# Allegro board 6089-103-RevB_76.brd (continued)
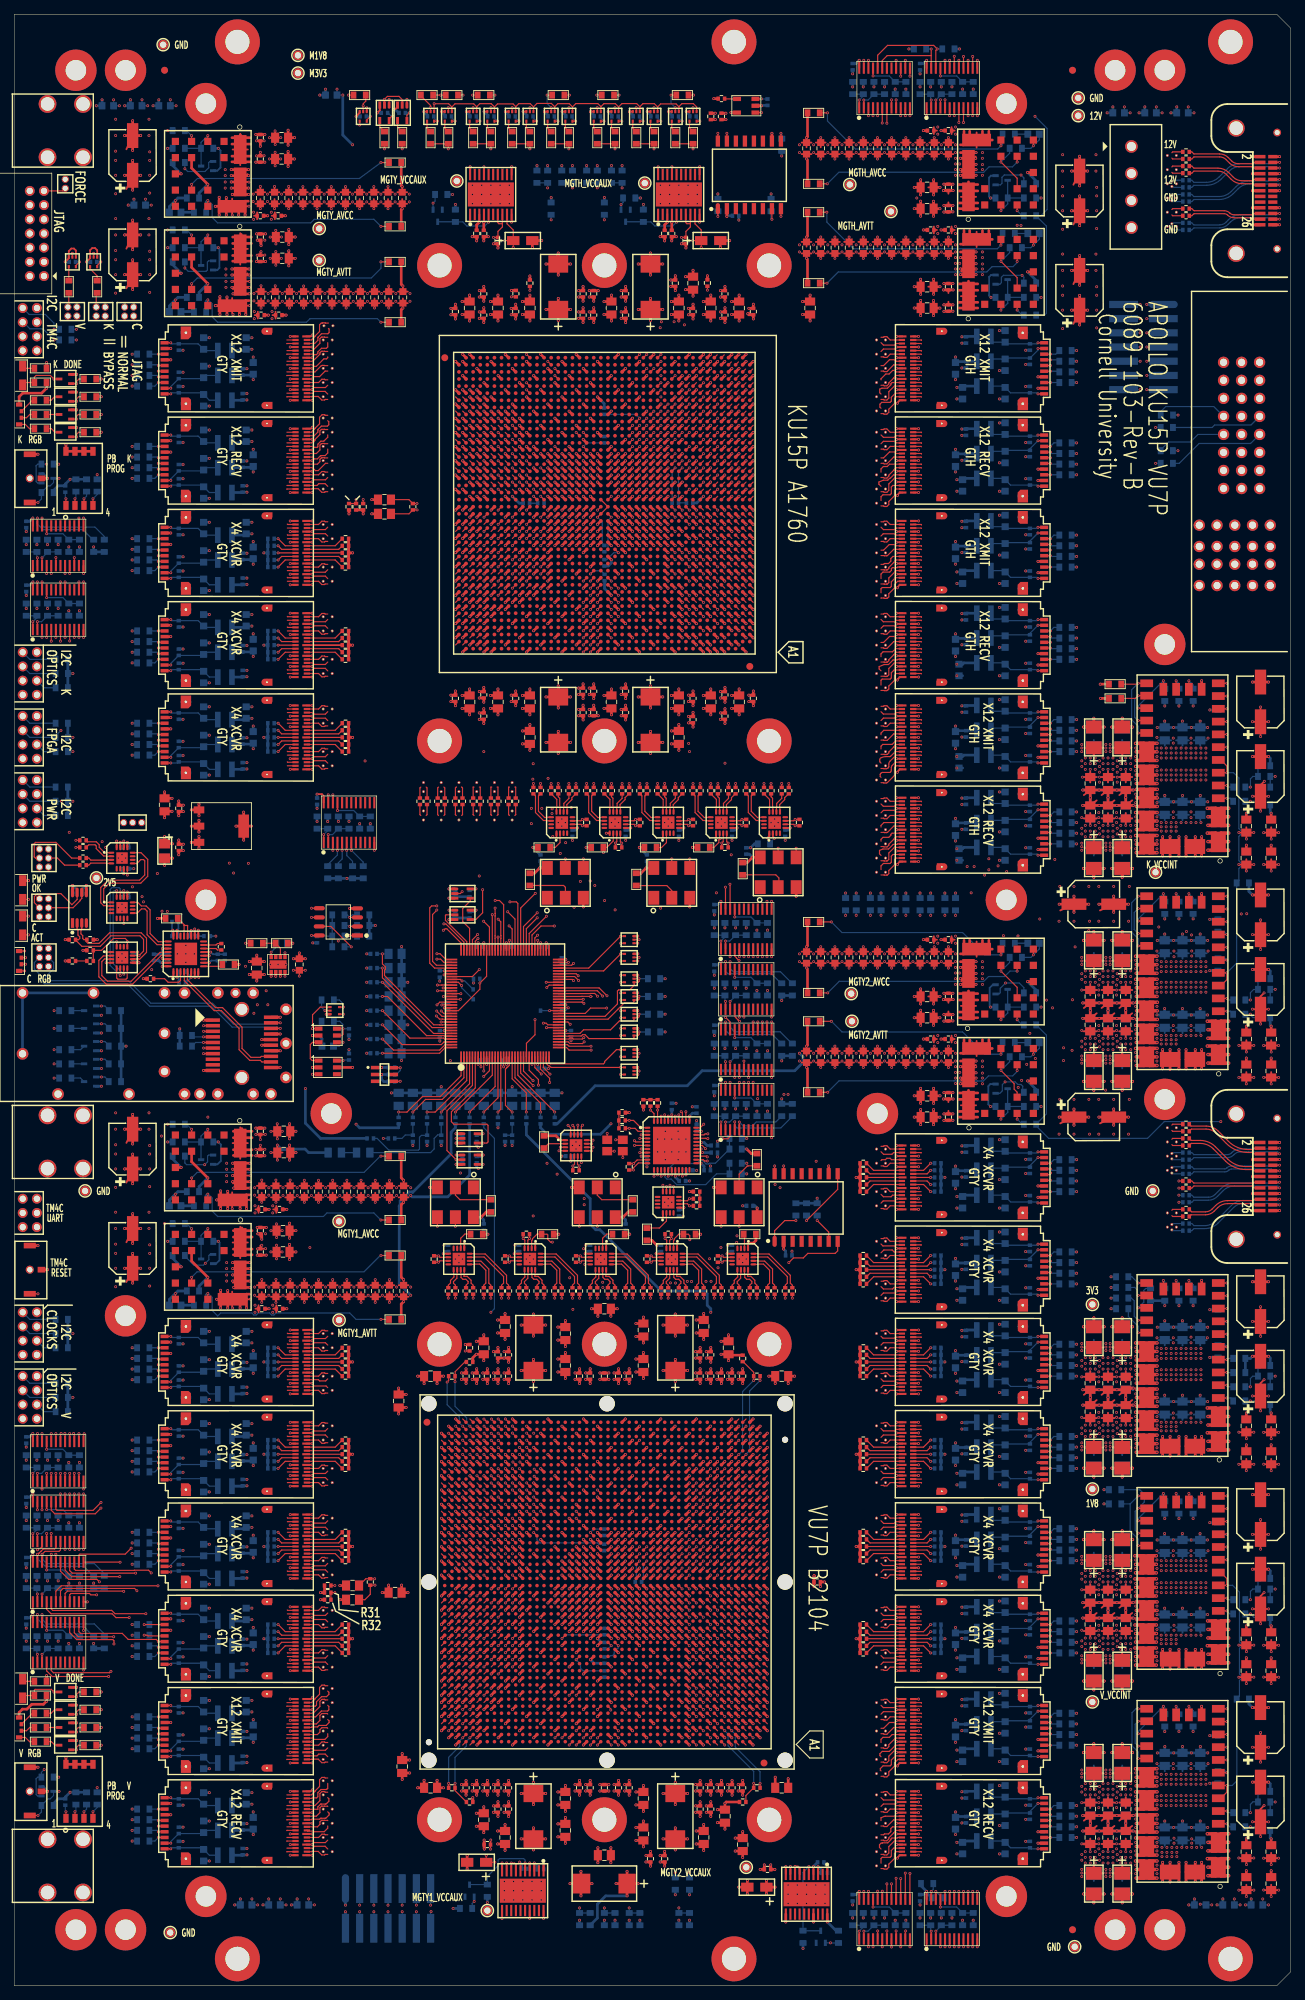
[diagram p0: board, top side]
## Routing (per net, layer and track width the routed paths; a pad name or vN(x,y) marks a point on that pad's centre or on a via; arc(x,y) is an arc through that point) (continued)
  GND1 w0.254: 163.84,118.9 164.25,118.71 ; 163.84,118.9 163.84,118.52 ; 163.84,118.9 164.25,119.09 ; 163.84,118.9 164.16,118.58 ; 163.84,118.9 164.16,119.22 ; 163.84,118.9 164.22,118.9 ; 163.84,118.9 163.84,119.28 ; 163.84,118.9 164.02,119.31 ; 43.18,177.9 43.56,177.9 ; 43.56,177.9 43.56,177.52 ; 43.56,177.9 43.56,178.28 ; 43.56,177.9 43.24,178.22 ; 43.56,177.9 43.24,177.58 ; 43.56,177.9 43.15,177.71 ; 43.56,177.9 43.38,177.49 ; 43.56,177.9 43.15,178.09 ; 43.56,225.9 43.56,226.28 ; 43.56,225.9 43.18,225.9 ; 43.56,225.9 43.15,225.71 ; 43.56,225.9 43.15,226.09 ; 43.56,225.9 43.56,225.52 ; 43.56,225.9 43.24,225.58 ; 43.56,225.9 43.24,226.22 ; 43.56,225.9 43.38,225.49 ; VA96.3 123.25,165.09 ; VA96.3 123.22,164.9 ; VA96.3 122.83,164.52 ; VA96.3 123.16,165.22 ; VA96.3 123.25,164.71 ; VA96.3 123.16,164.58 ; VA96.3 123.02,165.31 ; VA96.3 122.83,165.28 ; VA111.3 122.83,86.28 ; VA111.3 122.83,85.52 ; VA111.3 123.22,85.9 ; VA111.3 123.16,85.58 ; VA111.3 123.16,86.22 ; VA111.3 123.25,85.71 ; VA111.3 123.25,86.09 ; VA111.3 123.02,86.31 ; 156.69,252.35 J17.3 ; J17.3 158.31,252.35 ; J17.3 158.57,251.54 ; J17.3 156.43,251.54 ; J17.3 157.5,250.48 ; J17.3 158.31,250.74 ; J17.3 157.5,252.61 ; J17.3 156.69,250.74 ; 142.19,26.96 U117.G2 ; U117.G2 141.79,26.97 ; U117.G2 142.91,27.18 ; U117.G2 142.19,28.84 ; U117.G2 141.47,27.18 ; U117.G2 141.47,28.62 ; U117.G2 142.91,28.62 ; U117.G2 141.25,27.9 ; 122.83,70.52 VA116.3 ; VA116.3 123.16,71.22 ; VA116.3 123.16,70.58 ; VA116.3 123.25,70.71 ; VA116.3 123.22,70.9 ; VA116.3 123.25,71.09 ; VA116.3 123.02,71.31 ; VA116.3 122.83,71.28 ; 24.21,29.96 U29.G2 ; U29.G2 24.93,31.62 ; U29.G2 25.15,30.9 ; U29.G2 23.49,30.18 ; U29.G2 24.93,30.18 ; U29.G2 24.21,31.84 ; U29.G2 23.81,29.97 ; U29.G2 23.49,31.62 ; J7.7 1.2,89.78 ; J7.7 1.87,89.57 ; J7.7 2.08,88.9 ; J7.7 1.87,88.23 ; J7.7 2.07,89.28 ; J7.7 1.58,89.77 ; J7.7 2.07,88.52 ; J7.7 1.2,88.02 ; 28.71,138.9 U13.40 ; U13.40 29.47,139.14 ; U13.40 29.47,140.66 ; U13.40 27.95,139.14 ; U13.40 28.71,140.9 ; U13.40 27.95,140.66 ; U13.40 27.71,139.9 ; U13.40 29.71,139.9 ; VA99.3 123.16,159.22 ; VA99.3 123.16,158.58 ; VA99.3 123.25,158.71 ; VA99.3 123.25,159.09 ; VA99.3 122.83,159.28 ; VA99.3 123.22,158.9 ; VA99.3 123.02,159.31 ; VA99.3 122.83,158.52 ; 121.15,46.71 VA123.4 ; VA123.4 121.18,46.9 ; VA123.4 121.56,46.52 ; VA123.4 121.15,47.09 ; VA123.4 121.38,46.49 ; VA123.4 121.24,47.22 ; VA123.4 121.56,47.28 ; VA123.4 121.24,46.58 ; VA91.3 123.16,175.58 ; VA91.3 123.16,176.22 ; VA91.3 122.83,175.52 ; VA91.3 123.25,176.09 ; VA91.3 123.25,175.71 ; VA91.3 123.02,176.31 ; VA91.3 122.83,176.28 ; VA91.3 123.22,175.9 ; 121.15,84.09 VA112.4 ; VA112.4 121.38,83.49 ; VA112.4 121.15,83.71 ; VA112.4 121.56,83.52 ; VA112.4 121.24,84.22 ; VA112.4 121.24,83.58 ; VA112.4 121.18,83.9 ; VA112.4 121.56,84.28 ; J8.8 3.87,79.23 ; J8.8 2.53,79.23 ; J8.8 3.2,80.78 ; J8.8 4.08,79.9 ; J8.8 2.53,80.57 ; J8.8 3.2,79.02 ; J8.8 2.32,79.9 ; J8.8 3.87,80.57 ; 141.79,42.97 U115.G1 ; U115.G1 142.91,43.18 ; U115.G1 141.47,43.18 ; U115.G1 142.19,44.84 ; U115.G1 141.47,44.62 ; U115.G1 142.19,42.96 ; U115.G1 141.25,43.9 ; U115.G1 142.91,44.62 ; 162.15,250.09 VA141.4 ; VA141.4 162.56,249.52 ; VA141.4 162.24,250.22 ; VA141.4 162.56,250.28 ; VA141.4 162.18,249.9 ; VA141.4 162.15,249.71 ; VA141.4 162.24,249.58 ; VA141.4 162.38,249.49 ; 121.24,110.22 VA104.4 ; VA104.4 121.15,109.71 ; VA104.4 121.15,110.09 ; VA104.4 121.56,109.52 ; VA104.4 121.38,109.49 ; VA104.4 121.24,109.58 ; VA104.4 121.56,110.28 ; VA104.4 121.18,109.9 ; 163.84,120.9 164.25,120.71 ; 163.84,120.9 164.25,121.09 ; 163.84,120.9 164.16,120.58 ; 163.84,120.9 164.02,121.31 ; 163.84,120.9 163.84,121.28 ; 163.84,120.9 164.16,121.22 ; 163.84,120.9 163.84,120.52 ; 163.84,120.9 164.22,120.9 ; 121.18,20.9 VA134.4 ; VA134.4 121.24,20.58 ; VA134.4 121.56,20.52 ; VA134.4 121.24,21.22 ; VA134.4 121.56,21.28 ; VA134.4 121.15,20.71 ; VA134.4 121.15,21.09 ; VA134.4 121.38,20.49 ; P1.P2-6 173.05,205.8 ; P1.P2-6 171.09,205.8 ; P1.P2-6 172.07,204.82 ; P1.P2-6 171.33,206.54 ; P1.P2-6 172.81,205.06 ; P1.P2-6 171.33,205.06 ; P1.P2-6 172.07,206.78 ; P1.P2-6 172.81,206.54 ; VA8.4 45.25,216.71 ; VA8.4 44.84,216.52 ; VA8.4 44.84,217.28 ; VA8.4 45.22,216.9 ; VA8.4 45.16,217.22 ; VA8.4 45.02,217.31 ; VA8.4 45.16,216.58 ; VA8.4 45.25,217.09 ; U13.24 38.31,133.79 ; U13.24 39.32,132.79 ; U13.24 37.55,132.03 ; U13.24 39.07,133.55 ; U13.24 38.31,131.78 ; U13.24 37.31,132.79 ; U13.24 39.07,132.03 ; U13.24 37.55,133.55 ; VA108.3 123.16,97.22 ; VA108.3 122.83,97.28 ; VA108.3 123.25,96.71 ; VA108.3 123.16,96.58 ; VA108.3 123.02,97.31 ; VA108.3 123.22,96.9 ; VA108.3 122.83,96.52 ; VA108.3 123.25,97.09 ; VA78.3 123.02,204.31 ; VA78.3 122.83,204.28 ; VA78.3 122.83,203.52 ; VA78.3 123.16,203.58 ; VA78.3 123.22,203.9 ; VA78.3 123.25,203.71 ; VA78.3 123.25,204.09 ; VA78.3 123.16,204.22 ; VA131.3 123.02,27.31 ; VA131.3 123.25,26.71 ; VA131.3 122.83,26.52 ; VA131.3 123.16,27.22 ; VA131.3 123.16,26.58 ; VA131.3 122.83,27.28 ; VA131.3 123.25,27.09 ; VA131.3 123.22,26.9 ; 141.25,183.9 U107.G1 ; U107.G1 142.91,183.18 ; U107.G1 141.79,182.97 ; U107.G1 141.47,183.18 ; U107.G1 142.91,184.62 ; U107.G1 142.19,182.96 ; U107.G1 142.19,184.84 ; U107.G1 141.47,184.62 ; VA56.4 60.2,165.92 ; VA56.4 59.88,165.86 ; VA56.4 60.39,165.95 ; VA56.4 59.79,165.72 ; VA56.4 60.52,165.86 ; VA56.4 60.58,165.53 ; VA56.4 60.61,165.72 ; VA56.4 59.82,165.53 ; VA44.4 45.25,34.09 ; VA44.4 45.16,34.22 ; VA44.4 45.16,33.58 ; VA44.4 44.84,33.52 ; VA44.4 45.02,34.31 ; VA44.4 44.84,34.28 ; VA44.4 45.25,33.71 ; VA44.4 45.22,33.9 ; U114.G2 142.91,66.18 ; U114.G2 142.91,67.62 ; U114.G2 142.19,67.84 ; U114.G2 141.47,66.18 ; U114.G2 142.19,65.96 ; U114.G2 141.47,67.62 ; U114.G2 141.79,65.97 ; U114.G2 141.25,66.9 ; 121.38,96.49 VA108.4 ; VA108.4 121.24,96.58 ; VA108.4 121.56,97.28 ; VA108.4 121.15,96.71 ; VA108.4 121.18,96.9 ; VA108.4 121.56,96.52 ; VA108.4 121.15,97.09 ; VA108.4 121.24,97.22 ; 121.56,104.52 VA105.3 ; VA105.3 121.38,104.49 ; VA105.3 121.56,105.28 ; VA105.3 121.24,105.22 ; VA105.3 121.18,104.9 ; VA105.3 121.24,104.58 ; VA105.3 121.15,105.09 ; VA105.3 121.15,104.71 ; VA27.3 45.02,84.31 ; VA27.3 45.25,84.09 ; VA27.3 45.22,83.9 ; VA27.3 44.84,83.52 ; VA27.3 45.16,84.22 ; VA27.3 45.16,83.58 ; VA27.3 44.84,84.28 ; VA27.3 45.25,83.71 ; VA20.4 45.25,179.71 ; VA20.4 44.84,180.28 ; VA20.4 45.25,180.09 ; VA20.4 45.16,179.58 ; VA20.4 45.16,180.22 ; VA20.4 45.02,180.31 ; VA20.4 44.84,179.52 ; VA20.4 45.22,179.9 ; 67.51,167.85 67.7,168.26 ; 67.7,168.26 68.02,167.94 ; 67.7,168.26 68.11,168.08 ; 67.7,168.26 67.29,168.08 ; 67.7,168.26 67.7,167.88 ; 67.7,168.26 68.08,168.26 ; 67.7,168.26 67.32,168.26 ; 67.7,168.26 67.38,167.94 ; 122.83,35.52 VA127.3 ; VA127.3 122.83,36.28 ; VA127.3 123.02,36.31 ; VA127.3 123.25,36.09 ; VA127.3 123.16,35.58 ; VA127.3 123.16,36.22 ; VA127.3 123.25,35.71 ; VA127.3 123.22,35.9 ; 57.29,164.08 57.7,164.26 ; 57.7,164.26 58.02,163.94 ; 57.7,164.26 57.32,164.26 ; 57.7,164.26 57.51,163.85 ; 57.7,164.26 57.7,163.88 ; 57.7,164.26 57.38,163.94 ; 57.7,164.26 58.08,164.26 ; 57.7,164.26 58.11,164.08 ; VA17.4 45.02,191.31 ; VA17.4 45.22,190.9 ; VA17.4 45.16,191.22 ; VA17.4 45.16,190.58 ; VA17.4 44.84,191.28 ; VA17.4 44.84,190.52 ; VA17.4 45.25,191.09 ; VA17.4 45.25,190.71 ; 43.18,179.9 43.56,179.9 ; 43.56,179.9 43.24,179.58 ; 43.56,179.9 43.15,180.09 ; 43.56,179.9 43.38,179.49 ; 43.56,179.9 43.56,180.28 ; 43.56,179.9 43.56,179.52 ; 43.56,179.9 43.15,179.71 ; 43.56,179.9 43.24,180.22 ; 121.24,45.22 VA124.4 ; VA124.4 121.24,44.58 ; VA124.4 121.56,44.52 ; VA124.4 121.15,44.71 ; VA124.4 121.38,44.49 ; VA124.4 121.18,44.9 ; VA124.4 121.56,45.28 ; VA124.4 121.15,45.09 ; VA35.3 45.25,57.71 ; VA35.3 45.25,58.09 ; VA35.3 44.84,57.52 ; VA35.3 45.16,58.22 ; VA35.3 45.16,57.58 ; VA35.3 45.22,57.9 ; VA35.3 44.84,58.28 ; VA35.3 45.02,58.31 ; U22.G1 25.15,206.9 ; U22.G1 23.81,205.97 ; U22.G1 23.49,206.18 ; U22.G1 24.21,205.96 ; U22.G1 23.49,207.62 ; U22.G1 24.93,206.18 ; U22.G1 24.93,207.62 ; U22.G1 24.21,207.84 ; P1.14 173.77,222.93 ; P1.14 173.03,222.69 ; P1.14 173.03,224.65 ; P1.14 172.29,224.41 ; P1.14 173.77,224.41 ; P1.14 172.29,222.93 ; P1.14 172.05,223.67 ; P1.14 174.01,223.67 ; 121.15,200.09 VA80.4 ; VA80.4 121.56,199.52 ; VA80.4 121.18,199.9 ; VA80.4 121.56,200.28 ; VA80.4 121.24,200.22 ; VA80.4 121.38,199.49 ; VA80.4 121.15,199.71 ; VA80.4 121.24,199.58 ; VA128.3 123.25,34.09 ; VA128.3 122.83,33.52 ; VA128.3 123.22,33.9 ; VA128.3 123.02,34.31 ; VA128.3 122.83,34.28 ; VA128.3 123.16,33.58 ; VA128.3 123.25,33.71 ; VA128.3 123.16,34.22 ; VA103.3 123.02,112.31 ; VA103.3 123.25,112.09 ; VA103.3 123.16,111.58 ; VA103.3 122.83,112.28 ; VA103.3 122.83,111.52 ; VA103.3 123.16,112.22 ; VA103.3 123.22,111.9 ; VA103.3 123.25,111.71 ; 43.15,29.09 43.56,28.9 ; 43.56,28.9 43.56,28.52 ; 43.56,28.9 43.24,29.22 ; 43.56,28.9 43.56,29.28 ; 43.56,28.9 43.18,28.9 ; 43.56,28.9 43.24,28.58 ; 43.56,28.9 43.38,28.49 ; 43.56,28.9 43.15,28.71 ; 43.24,21.22 43.56,20.9 ; 43.56,20.9 43.38,20.49 ; 43.56,20.9 43.15,20.71 ; 43.56,20.9 43.56,20.52 ; 43.56,20.9 43.18,20.9 ; 43.56,20.9 43.56,21.28 ; 43.56,20.9 43.24,20.58 ; 43.56,20.9 43.15,21.09 ; VA26.3 45.25,85.71 ; VA26.3 45.25,86.09 ; VA26.3 44.84,85.52 ; VA26.3 44.84,86.28 ; VA26.3 45.22,85.9 ; VA26.3 45.16,86.22 ; VA26.3 45.02,86.31 ; VA26.3 45.16,85.58 ; 43.24,19.22 43.56,18.9 ; 43.56,18.9 43.15,19.09 ; 43.56,18.9 43.24,18.58 ; 43.56,18.9 43.38,18.49 ; 43.56,18.9 43.56,19.28 ; 43.56,18.9 43.18,18.9 ; 43.56,18.9 43.56,18.52 ; 43.56,18.9 43.15,18.71 ; VA86.3 123.25,187.09 ; VA86.3 123.16,187.22 ; VA86.3 123.02,187.31 ; VA86.3 122.83,186.52 ; VA86.3 122.83,187.28 ; VA86.3 123.22,186.9 ; VA86.3 123.16,186.58 ; VA86.3 123.25,186.71 ; 43.24,32.22 43.56,31.9 ; 43.56,31.9 43.18,31.9 ; 43.56,31.9 43.15,32.09 ; 43.56,31.9 43.24,31.58 ; 43.56,31.9 43.56,32.28 ; 43.56,31.9 43.15,31.71 ; 43.56,31.9 43.38,31.49 ; 43.56,31.9 43.56,31.52 ; VA43.4 44.84,36.28 ; VA43.4 44.84,35.52 ; VA43.4 45.16,36.22 ; VA43.4 45.02,36.31 ; VA43.4 45.25,35.71 ; VA43.4 45.22,35.9 ; VA43.4 45.16,35.58 ; VA43.4 45.25,36.09 ; 121.38,171.49 VA93.4 ; VA93.4 121.15,171.71 ; VA93.4 121.56,172.28 ; VA93.4 121.24,171.58 ; VA93.4 121.18,171.9 ; VA93.4 121.15,172.09 ; VA93.4 121.56,171.52 ; VA93.4 121.24,172.22 ; VA29.4 45.25,77.09 ; VA29.4 45.02,77.31 ; VA29.4 45.16,77.22 ; VA29.4 45.16,76.58 ; VA29.4 45.25,76.71 ; VA29.4 44.84,76.52 ; VA29.4 44.84,77.28 ; VA29.4 45.22,76.9 ; VA77.3 123.16,206.22 ; VA77.3 123.02,206.31 ; VA77.3 123.25,205.71 ; VA77.3 123.22,205.9 ; VA77.3 122.83,205.52 ; VA77.3 123.16,205.58 ; VA77.3 123.25,206.09 ; VA77.3 122.83,206.28 ; 141.79,218.97 U105.G2 ; U105.G2 142.19,218.96 ; U105.G2 142.91,220.62 ; U105.G2 141.47,219.18 ; U105.G2 141.47,220.62 ; U105.G2 142.91,219.18 ; U105.G2 141.25,219.9 ; U105.G2 142.19,220.84 ; VA118.4 123.25,64.09 ; VA118.4 123.16,64.22 ; VA118.4 123.22,63.9 ; VA118.4 123.25,63.71 ; VA118.4 122.83,63.52 ; VA118.4 122.83,64.28 ; VA118.4 123.02,64.31 ; VA118.4 123.16,63.58 ; 141.47,40.18 U116.G2 ; U116.G2 141.47,41.62 ; U116.G2 142.19,41.84 ; U116.G2 142.19,39.96 ; U116.G2 142.91,40.18 ; U116.G2 142.91,41.62 ; U116.G2 141.79,39.97 ; U116.G2 141.25,40.9 ; VA119.3 123.16,59.58 ; VA119.3 123.25,59.71 ; VA119.3 123.22,59.9 ; VA119.3 123.25,60.09 ; VA119.3 123.02,60.31 ; VA119.3 123.16,60.22 ; VA119.3 122.83,60.28 ; VA119.3 122.83,59.52 ; 173.03,215.07 P1.11 ; P1.11 173.03,217.03 ; P1.11 172.29,215.31 ; P1.11 172.29,216.79 ; P1.11 173.77,216.79 ; P1.11 173.77,215.31 ; P1.11 174.01,216.05 ; P1.11 172.05,216.05 ; 43.15,217.09 43.56,216.9 ; 43.56,216.9 43.56,216.52 ; 43.56,216.9 43.24,216.58 ; 43.56,216.9 43.15,216.71 ; 43.56,216.9 43.24,217.22 ; 43.56,216.9 43.38,216.49 ; 43.56,216.9 43.56,217.28 ; 43.56,216.9 43.18,216.9 ; VA65.3 123.16,231.58 ; VA65.3 123.25,231.71 ; VA65.3 123.16,232.22 ; VA65.3 123.22,231.9 ; VA65.3 123.02,232.31 ; VA65.3 122.83,232.28 ; VA65.3 123.25,232.09 ; VA65.3 122.83,231.52 ; 162.18,251.9 VA140.4 ; VA140.4 162.56,251.52 ; VA140.4 162.15,251.71 ; VA140.4 162.24,251.58 ; VA140.4 162.56,252.28 ; VA140.4 162.24,252.22 ; VA140.4 162.38,251.49 ; VA140.4 162.15,252.09 ; 35.53,124.98 U13.26 ; U13.26 35.53,126.32 ; U13.26 36.2,124.77 ; U13.26 36.87,126.32 ; U13.26 35.33,125.65 ; U13.26 36.87,124.98 ; U13.26 37.08,125.65 ; U13.26 36.2,126.53 ; 43.56,192.9 43.56,193.28 ; 43.56,192.9 43.15,192.71 ; 43.56,192.9 43.24,192.58 ; 43.56,192.9 43.15,193.09 ; 43.56,192.9 43.24,193.22 ; 43.56,192.9 43.18,192.9 ; 43.56,192.9 43.38,192.49 ; 43.56,192.9 43.56,192.52 ; 162.15,121.09 VA143.4 ; VA143.4 162.56,121.28 ; VA143.4 162.38,120.49 ; VA143.4 162.24,120.58 ; VA143.4 162.24,121.22 ; VA143.4 162.15,120.71 ; VA143.4 162.18,120.9 ; VA143.4 162.56,120.52 ; 2.53,229.73 J2.8 ; J2.8 2.32,230.4 ; J2.8 3.87,231.07 ; J2.8 3.2,229.52 ; J2.8 2.53,231.07 ; J2.8 3.87,229.73 ; J2.8 4.08,230.4 ; J2.8 3.2,231.28 ; J5.7 1.58,164.77 ; J5.7 1.87,164.57 ; J5.7 2.07,163.52 ; J5.7 1.87,163.23 ; J5.7 1.2,163.02 ; J5.7 1.2,164.78 ; J5.7 2.07,164.28 ; J5.7 2.08,163.9 ; VA40.4 45.16,42.22 ; VA40.4 45.16,41.58 ; VA40.4 44.84,41.52 ; VA40.4 45.22,41.9 ; VA40.4 44.84,42.28 ; VA40.4 45.25,42.09 ; VA40.4 45.02,42.31 ; VA40.4 45.25,41.71 ; VA96.4 121.56,165.28 ; VA96.4 121.18,164.9 ; VA96.4 121.56,164.52 ; VA96.4 121.15,165.09 ; VA96.4 121.38,164.49 ; VA96.4 121.24,165.22 ; VA96.4 121.15,164.71 ; VA96.4 121.24,164.58 ; 21.33,6.83 PM26.1 ; PM26.1 22.67,6.83 ; PM26.1 22,6.62 ; PM26.1 22.67,8.17 ; PM26.1 22.88,7.5 ; PM26.1 21.12,7.5 ; PM26.1 22,8.38 ; PM26.1 21.33,8.17 ; 64.88,165.86 VA60.4 ; VA60.4 65.2,165.92 ; VA60.4 64.79,165.72 ; VA60.4 65.61,165.72 ; VA60.4 65.39,165.95 ; VA60.4 65.58,165.53 ; VA60.4 65.52,165.86 ; VA60.4 64.82,165.53 ; 141.47,181.62 U108.G2 ; U108.G2 141.79,179.97 ; U108.G2 141.25,180.9 ; U108.G2 142.19,179.96 ; U108.G2 141.47,180.18 ; U108.G2 142.91,180.18 ; U108.G2 142.19,181.84 ; U108.G2 142.91,181.62 ; U106.G1 142.19,197.84 ; U106.G1 142.91,197.62 ; U106.G1 141.47,196.18 ; U106.G1 141.79,195.97 ; U106.G1 142.91,196.18 ; U106.G1 142.19,195.96 ; U106.G1 141.25,196.9 ; U106.G1 141.47,197.62 ; 121.24,117.58 VA101.3 ; VA101.3 121.56,117.52 ; VA101.3 121.18,117.9 ; VA101.3 121.56,118.28 ; VA101.3 121.38,117.49 ; VA101.3 121.15,117.71 ; VA101.3 121.15,118.09 ; VA101.3 121.24,118.22 ; 121.24,59.58 VA119.4 ; VA119.4 121.56,59.52 ; VA119.4 121.24,60.22 ; VA119.4 121.18,59.9 ; VA119.4 121.38,59.49 ; VA119.4 121.15,60.09 ; VA119.4 121.56,60.28 ; VA119.4 121.15,59.71 ; VA97.3 123.02,163.31 ; VA97.3 123.25,163.09 ; VA97.3 123.16,163.22 ; VA97.3 122.83,163.28 ; VA97.3 123.22,162.9 ; VA97.3 122.83,162.52 ; VA97.3 123.25,162.71 ; VA97.3 123.16,162.58 ; 43.56,91.9 43.56,92.28 ; 43.56,91.9 43.56,91.52 ; 43.56,91.9 43.24,91.58 ; 43.56,91.9 43.24,92.22 ; 43.56,91.9 43.15,92.09 ; 43.56,91.9 43.38,91.49 ; 43.56,91.9 43.18,91.9 ; 43.56,91.9 43.15,91.71 ; VA90.3 123.25,178.09 ; VA90.3 122.83,177.52 ; VA90.3 123.25,177.71 ; VA90.3 123.16,177.58 ; VA90.3 123.02,178.31 ; VA90.3 122.83,178.28 ; VA90.3 123.22,177.9 ; VA90.3 123.16,178.22 ; VA68.3 122.83,226.28 ; VA68.3 123.25,226.09 ; VA68.3 123.16,225.58 ; VA68.3 123.02,226.31 ; VA68.3 123.25,225.71 ; VA68.3 122.83,225.52 ; VA68.3 123.16,226.22 ; VA68.3 123.22,225.9 ; VA133.3 123.02,23.31 ; VA133.3 122.83,23.28 ; VA133.3 123.22,22.9 ; VA133.3 123.25,23.09 ; VA133.3 122.83,22.52 ; VA133.3 123.16,22.58 ; VA133.3 123.25,22.71 ; VA133.3 123.16,23.22 ; U13.37 21.86,129.5 ; U13.37 21.19,127.95 ; U13.37 21.19,129.7 ; U13.37 21.86,128.16 ; U13.37 20.52,128.16 ; U13.37 20.52,129.5 ; U13.37 22.07,128.83 ; U13.37 20.32,128.83 ; VA82.4 121.56,196.28 ; VA82.4 121.56,195.52 ; VA82.4 121.24,196.22 ; VA82.4 121.18,195.9 ; VA82.4 121.15,195.71 ; VA82.4 121.24,195.58 ; VA82.4 121.38,195.49 ; VA82.4 121.15,196.09 ; 122.83,50.52 VA122.4 ; VA122.4 123.22,50.9 ; VA122.4 123.25,51.09 ; VA122.4 123.02,51.31 ; VA122.4 123.16,51.22 ; VA122.4 123.16,50.58 ; VA122.4 123.25,50.71 ; VA122.4 122.83,51.28 ; 121.18,89.9 VA110.3 ; VA110.3 121.56,90.28 ; VA110.3 121.56,89.52 ; VA110.3 121.38,89.49 ; VA110.3 121.24,90.22 ; VA110.3 121.15,89.71 ; VA110.3 121.24,89.58 ; VA110.3 121.15,90.09 ; J2.7 1.2,231.28 ; J2.7 1.58,231.27 ; J2.7 2.08,230.4 ; J2.7 1.87,229.73 ; J2.7 2.07,230.02 ; J2.7 1.87,231.07 ; J2.7 2.07,230.78 ; J2.7 1.2,229.52 ; 162.24,253.58 VA139.4 ; VA139.4 162.15,254.09 ; VA139.4 162.56,254.28 ; VA139.4 162.24,254.22 ; VA139.4 162.15,253.71 ; VA139.4 162.56,253.52 ; VA139.4 162.38,253.49 ; VA139.4 162.18,253.9 ; U25.G1 24.93,93.62 ; U25.G1 23.49,93.62 ; U25.G1 24.21,91.96 ; U25.G1 23.81,91.97 ; U25.G1 24.21,93.84 ; U25.G1 24.93,92.18 ; U25.G1 23.49,92.18 ; U25.G1 25.15,92.9 ; VA41.4 45.16,40.22 ; VA41.4 45.25,39.71 ; VA41.4 44.84,39.52 ; VA41.4 45.16,39.58 ; VA41.4 45.22,39.9 ; VA41.4 45.25,40.09 ; VA41.4 44.84,40.28 ; VA41.4 45.02,40.31 ; U27.G2 25.15,56.9 ; U27.G2 24.93,56.18 ; U27.G2 24.21,55.96 ; U27.G2 24.21,57.84 ; U27.G2 24.93,57.62 ; U27.G2 23.49,57.62 ; U27.G2 23.49,56.18 ; U27.G2 23.81,55.97 ; 121.56,65.52 VA117.3 ; VA117.3 121.18,65.9 ; VA117.3 121.24,66.22 ; VA117.3 121.15,65.71 ; VA117.3 121.24,65.58 ; VA117.3 121.56,66.28 ; VA117.3 121.38,65.49 ; VA117.3 121.15,66.09 ; 43.56,35.9 43.56,36.28 ; 43.56,35.9 43.15,35.71 ; 43.56,35.9 43.24,36.22 ; 43.56,35.9 43.18,35.9 ; 43.56,35.9 43.56,35.52 ; 43.56,35.9 43.24,35.58 ; 43.56,35.9 43.38,35.49 ; 43.56,35.9 43.15,36.09 ; 43.15,191.09 43.56,190.9 ; 43.56,190.9 43.38,190.49 ; 43.56,190.9 43.56,191.28 ; 43.56,190.9 43.24,190.58 ; 43.56,190.9 43.56,190.52 ; 43.56,190.9 43.18,190.9 ; 43.56,190.9 43.24,191.22 ; 43.56,190.9 43.15,190.71 ; 122.83,76.52 VA114.4 ; VA114.4 123.22,76.9 ; VA114.4 123.25,77.09 ; VA114.4 123.02,77.31 ; VA114.4 123.16,77.22 ; VA114.4 123.25,76.71 ; VA114.4 123.16,76.58 ; VA114.4 122.83,77.28 ; VA71.3 123.22,218.9 ; VA71.3 122.83,219.28 ; VA71.3 123.25,218.71 ; VA71.3 123.02,219.31 ; VA71.3 123.25,219.09 ; VA71.3 122.83,218.52 ; VA71.3 123.16,219.22 ; VA71.3 123.16,218.58 ; P1.P2-10 167.81,205.06 ; P1.P2-10 166.33,205.06 ; P1.P2-10 167.81,206.54 ; P1.P2-10 168.05,205.8 ; P1.P2-10 167.07,204.82 ; P1.P2-10 167.07,206.78 ; P1.P2-10 166.33,206.54 ; P1.P2-10 166.09,205.8 ; VA25.4 45.16,89.58 ; VA25.4 45.16,90.22 ; VA25.4 44.84,89.52 ; VA25.4 45.22,89.9 ; VA25.4 45.02,90.31 ; VA25.4 45.25,89.71 ; VA25.4 45.25,90.09 ; VA25.4 44.84,90.28 ; VA14.3 45.02,200.31 ; VA14.3 45.25,200.09 ; VA14.3 45.22,199.9 ; VA14.3 45.16,199.58 ; VA14.3 44.84,200.28 ; VA14.3 45.16,200.22 ; VA14.3 44.84,199.52 ; VA14.3 45.25,199.71 ; VA4.4 45.22,225.9 ; VA4.4 45.16,225.58 ; VA4.4 45.25,226.09 ; VA4.4 44.84,225.52 ; VA4.4 44.84,226.28 ; VA4.4 45.25,225.71 ; VA4.4 45.16,226.22 ; VA4.4 45.02,226.31 ; 43.15,79.09 43.56,78.9 ; 43.56,78.9 43.56,79.28 ; 43.56,78.9 43.24,78.58 ; 43.56,78.9 43.56,78.52 ; 43.56,78.9 43.38,78.49 ; 43.56,78.9 43.24,79.22 ; 43.56,78.9 43.18,78.9 ; 43.56,78.9 43.15,78.71 ; 23.81,52.97 U28.G1 ; U28.G1 23.49,54.62 ; U28.G1 24.93,54.62 ; U28.G1 25.15,53.9 ; U28.G1 24.21,54.84 ; U28.G1 23.49,53.18 ; U28.G1 24.21,52.96 ; U28.G1 24.93,53.18 ; VA98.3 123.02,161.31 ; VA98.3 122.83,160.52 ; VA98.3 122.83,161.28 ; VA98.3 123.25,160.71 ; VA98.3 123.16,161.22 ; VA98.3 123.25,161.09 ; VA98.3 123.16,160.58 ; VA98.3 123.22,160.9 ; 121.24,231.58 VA65.4 ; VA65.4 121.24,232.22 ; VA65.4 121.56,231.52 ; VA65.4 121.56,232.28 ; VA65.4 121.18,231.9 ; VA65.4 121.15,232.09 ; VA65.4 121.38,231.49 ; VA65.4 121.15,231.71 ; 64.88,163.94 65.2,164.26 ; 65.2,164.26 64.82,164.26 ; 65.2,164.26 65.61,164.08 ; 65.2,164.26 65.2,163.88 ; 65.2,164.26 65.52,163.94 ; 65.2,164.26 65.58,164.26 ; 65.2,164.26 64.79,164.08 ; 65.2,164.26 65.01,163.85 ; VA39.3 45.02,45.31 ; VA39.3 45.16,44.58 ; VA39.3 45.16,45.22 ; VA39.3 45.22,44.9 ; VA39.3 44.84,45.28 ; VA39.3 45.25,44.71 ; VA39.3 44.84,44.52 ; VA39.3 45.25,45.09 ; VA81.3 123.16,197.58 ; VA81.3 122.83,197.52 ; VA81.3 123.22,197.9 ; VA81.3 123.16,198.22 ; VA81.3 122.83,198.28 ; VA81.3 123.25,197.71 ; VA81.3 123.02,198.31 ; VA81.3 123.25,198.09 ; 121.56,78.52 VA113.3 ; VA113.3 121.38,78.49 ; VA113.3 121.56,79.28 ; VA113.3 121.24,78.58 ; VA113.3 121.15,79.09 ; VA113.3 121.24,79.22 ; VA113.3 121.15,78.71 ; VA113.3 121.18,78.9 ; 121.56,52.52 